# Allegro board IMX7D EVK BOARD REV D_160314.brd (continued)
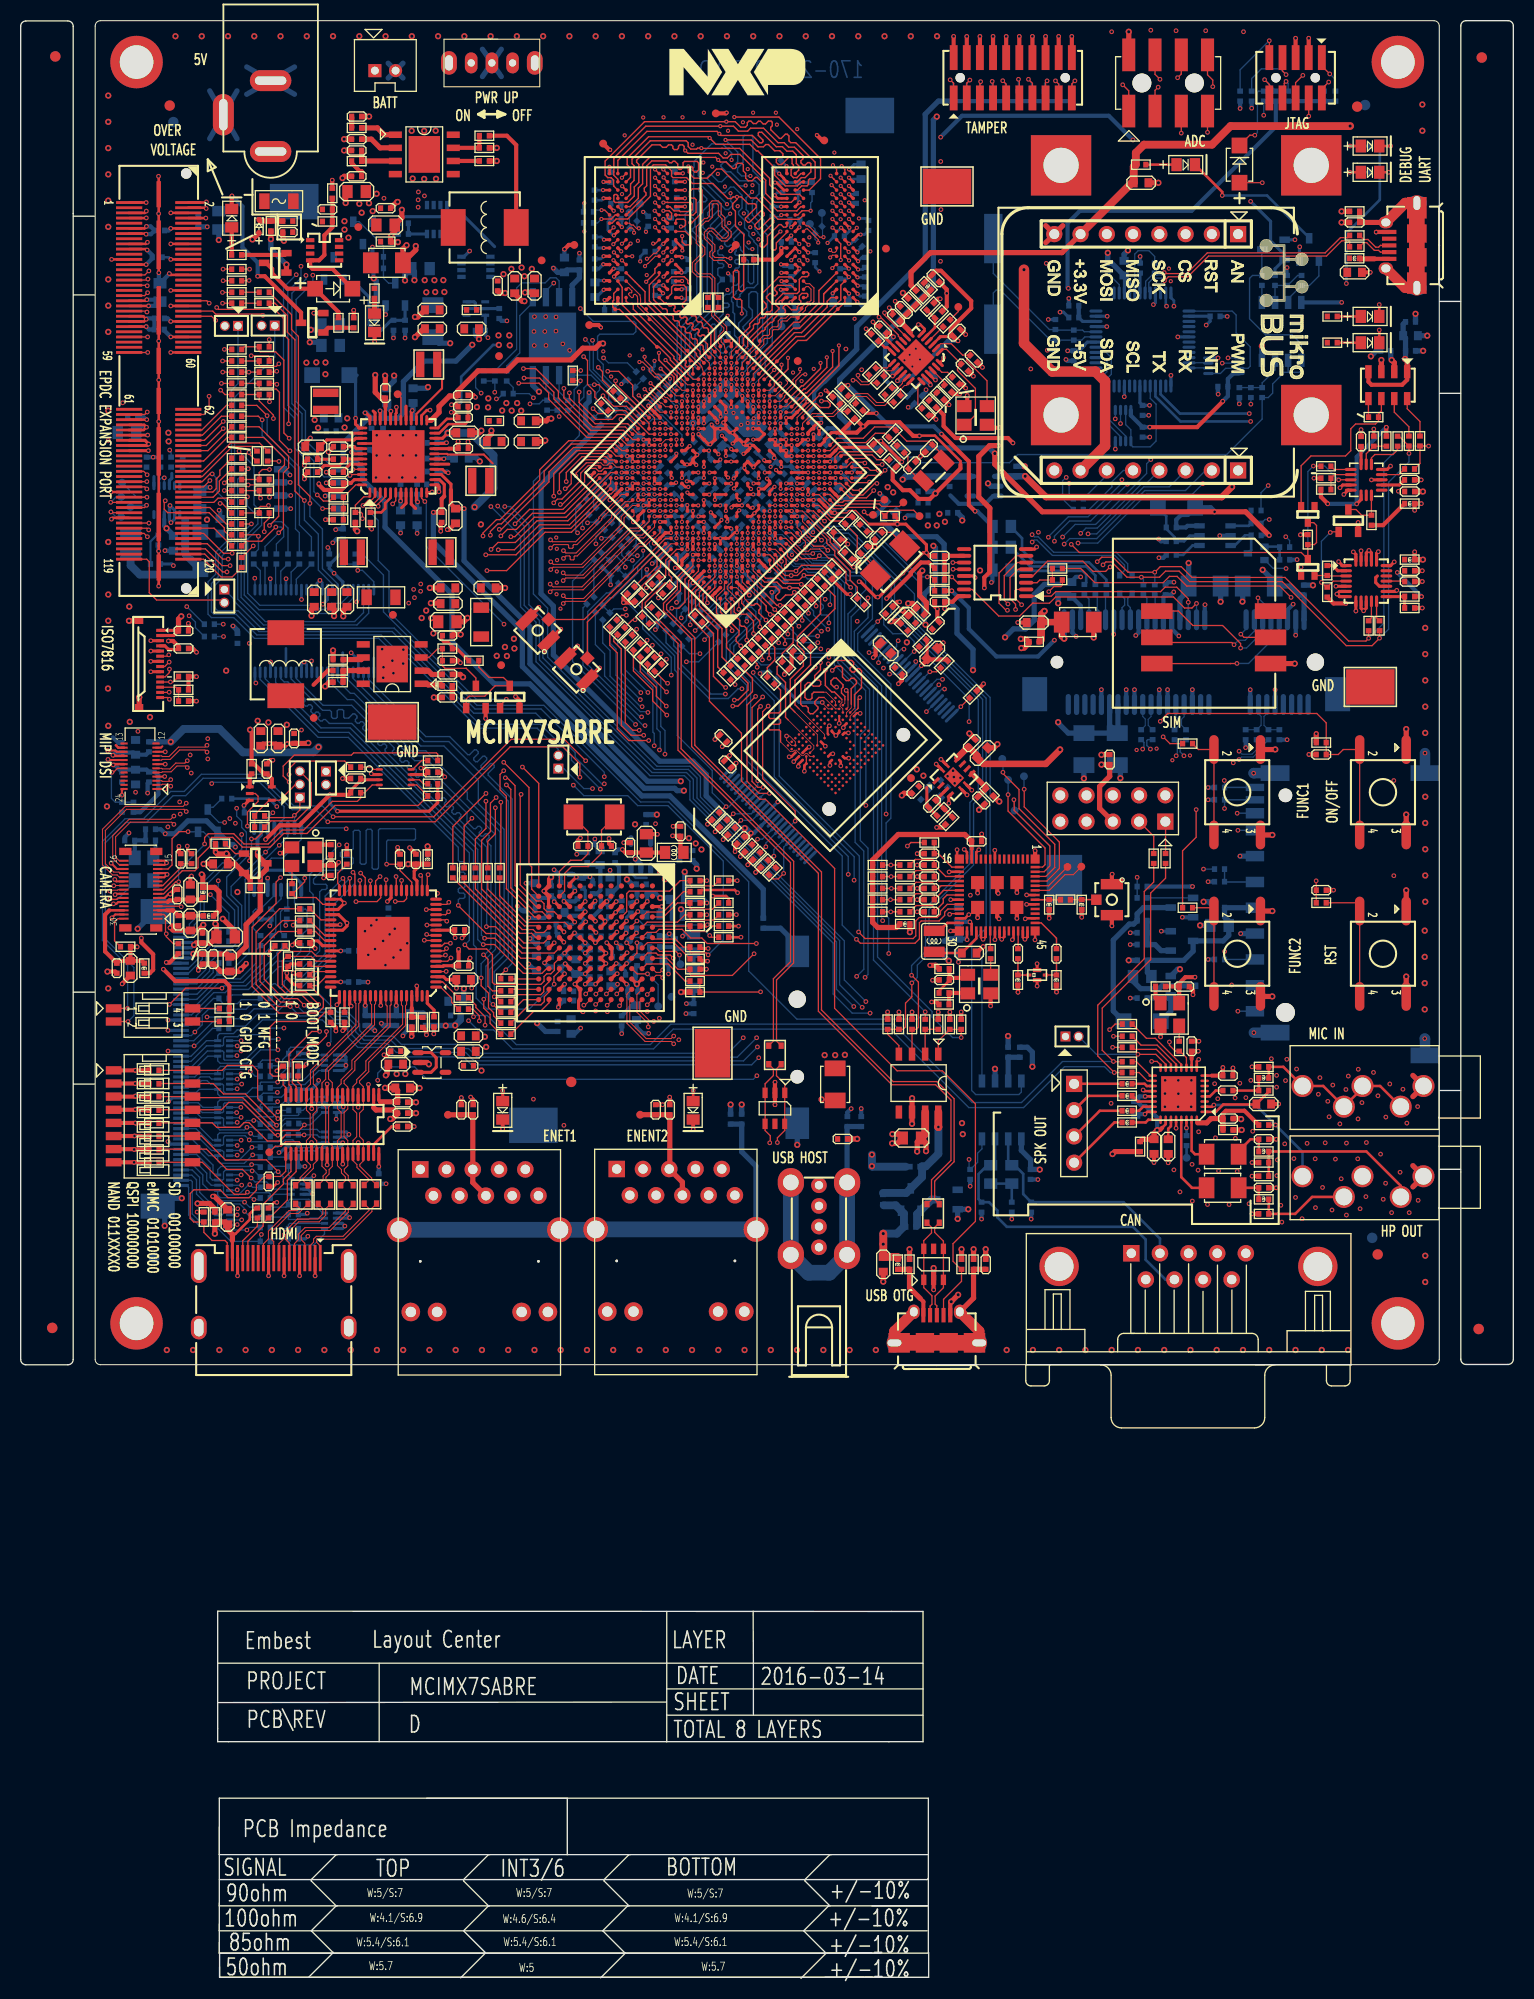
[diagram p0: board, top side]
## Routing (per net, layer and track width the routed paths; a pad name or vN(x,y) marks a point on that pad's centre or on a via; arc(x,y) is an arc through that point) (continued)
  TOP w0.254: U4.16 40.81,145.96 41.14,145.63 41.35,145.63 v1(41.35,145.63)
  TOP w0.305: R639.2 31.92,114.9 32.89,115.86 C461.1 33.01,115.93 U45.3 ; v1(30.64,112.89) 39.51,112.89 40.34,113.72 R638.2 R640.2
  TOP w0.406: v1(88.94,162.45) 88.73,162.45 R369.1 ; v1(23.69,110.16) 25.05,111.52 26.95,111.52 v1(29.89,114.47) 31.72,114.47 R639.2 ; L64.1 12.48,97.22 12.81,97.55 12.81,99.05 11.67,100.2 v1(11.67,100.63) ; v1(90.82,153.26) 90.21,153.26 R621.2
  TOP w0.508: R368.1 v2(85.33,163.02) ; v2(85.25,132.36) 85.84,131.77 R45.2 85.87,131.78 86.67,132.57 R325.2 86.28,132.99 v2(85.84,132.99)
  L3_INT_1 w0.406: v1(12.28,114.65) 12.28,112.41 v1(13.98,110.71) 13.98,110.18 12.1,108.3 12.1,101.06 v1(11.67,100.63)
  L3_INT_1 w0.508: v1(23.69,110.16) 24.35,109.5 24.35,108.56 20.97,105.17 v2(20.97,105.07)
  L3_INT_1 w0.762: v1(23.69,110.16) 23.07,110.77 23.07,114.65 20.53,117.19 20.53,125.82 v2(19.87,126.49)
  L6_INT_2 w0.305: v1(107.58,177.82) 107.59,177.82 113.01,177.82 v1(118.96,171.88)
  L6_INT_2 w0.508: v1(20.77,109.43) 20.77,105.27 v2(20.97,105.07)
  L6_INT_2 w0.762: v2(19.87,126.49) 19.87,128.21 28.23,136.57 29.65,136.57 32.07,138.98 41.52,138.98 43.17,140.63 v2(44.51,140.63)
  BOTTOM w0.305: v1(30.64,112.89) 29.89,113.64 v1(29.89,114.47) ; v1(118.96,171.88) 120.89,169.94 120.89,168.07 122.25,166.71 D22.2 121.32,165.36 R553.1
  BOTTOM w0.406: v1(88.98,178.09) 91.05,180.16 105.24,180.16 v1(107.58,177.82) ; v1(12.28,114.65) 12.28,115.59 L65.1 ; L57.1 87.57,153.46 v1(87.57,153.66) ; L68.1 13.55,111.14 v1(13.98,110.71) ; U33.3 94.06,143.38 93.3,142.62 90.73,142.62 89.92,143.43 ; C22.1 41.23,145.75 v1(41.35,145.63)
  BOTTOM w0.508: v1(20.77,109.43) 20.53,109.67 R636.1 19.87,110.06 Q36.1 17.98,111.96 16.17,111.96 14.92,110.71 v1(13.98,110.71)
  vias: v2(46.57,151.65) v2(46.98,152.37) v2(47.49,151.64) v2(48.02,152.37) v2(48.41,151.63) v2(87.74,140.53) v2(88.61,140.53) v2(88.86,141.65) v2(89.39,140.89)
SW2LX: length 1.4
  TOP w0.305: U4.17 41.41,146.46
SW3_1V35: length 4.9
  TOP w0.203: U4.27 38.28,151.32 40.75,153.79 40.75,154.62
SW3LX: length 1.4
  TOP w0.305: 37.28,152.06 U4.29
SWBSTLX: length 1
  TOP w0.305: U4.35 34.28,151.42 34.1,151.6
  vias: v2(27.64,156.28) v2(28.59,156.31) v2(29.48,156.3) v2(29.47,155.16)
SYS_5V: length 12.7
  TOP w0.305: 34.81,84.78 34.64,84.95 U15.1
  TOP w0.508: R147.2 18.78,74.43 18.26,74.95 v2(17.11,74.95) ; v2(35.24,86.14) 35.26,86.11 C228.1 36.46,85.89 C227.1 36.42,84.78 34.81,84.78 ; v2(86.71,79.97) 86.72,79.98 86.72,80.91 C363.1 87.57,80.8 87.57,80.02 v2(87.57,80.01)
  TOP w0.762: U30.7 87.48,81.68 C363.1
  vias: v2(31.32,169.96) v2(31.32,169.14) v2(31.7,168.37)
TD_P0_N0: length 31.2
  TOP w0.104: U31.G11 55.1,95.66 v1(54.65,95.21)
  L3_INT_1 w0.117: J27.2 39.15,76.47 37.46,76.47 36.77,77.17 36.77,79.59 39.44,82.26 41.27,82.26 53.82,94.81 54.25,94.81 v1(54.65,95.21)
TD_P0_N1: length 25.6
  TOP w0.104: U31.F12 55.65,94.21 55.65,94.21 55.64,94.2 v1(55.61,94.2)
  L3_INT_1 w0.117: v1(55.61,94.2) 55.64,94.23 55.44,94.43 55.39,94.43 55.18,94.22 55.18,91.71 42.61,79.14 42.61,77.42 41.92,76.94 41.92,76.79 J27.4
TD_P0_N2: length 26.7
  TOP w0.104: U31.E11 v1(56.65,95.21)
  L3_INT_1 w0.117: v1(56.65,95.21) 56.65,95.02 56.04,94.41 56.04,90.7 44.87,79.52 44.87,77.45 45.57,76.75 46.49,76.75 J27.8
TD_P0_N3: length 23.3
  TOP w0.104: U31.D12 58.11,94.25 v1(57.92,94.07)
  L3_INT_1 w0.117: J27.10 49.54,76.79 49.58,76.91 50.93,78.27 50.93,82.84 57.44,89.35 57.44,94.27 57.53,94.36 57.63,94.36 v1(57.92,94.07)
TD_P0_P0: length 31.2
  TOP w0.104: U31.G12 54.57,94.13 v1(54.47,94.13)
  L3_INT_1 w0.117: v1(54.47,94.13) 54.47,94.33 54.27,94.53 53.94,94.53 41.39,81.98 39.56,81.98 37.04,79.47 37.04,77.29 37.58,76.75 39.13,76.75 39.36,76.98 39.36,77.54 J27.1
TD_P0_P1: length 25.6
  TOP w0.104: v1(55.64,95.2) 55.65,95.21 55.65,95.21 U31.F11
  L3_INT_1 w0.117: J27.3 41.62,77.38 41.91,77.28 42.33,77.57 42.33,79.26 54.9,91.83 54.9,94.33 55.64,95.07 v1(55.64,95.2)
TD_P0_P2: length 26.7
  TOP w0.104: U31.E12 57.11,94.5 v1(56.73,94.12)
  L3_INT_1 w0.117: J27.7 46.6,78.24 47.2,77.64 47.2,77.16 47.08,77.03 45.68,77.03 45.15,77.56 45.15,79.41 56.32,90.58 56.32,94.3 56.41,94.38 56.55,94.38 56.73,94.2 v1(56.73,94.12)
TD_P0_P3: length 23.3
  TOP w0.104: U31.D11 v1(57.65,95.21)
  L3_INT_1 w0.117: v1(57.65,95.21) 57.65,94.92 57.16,94.43 57.16,89.47 50.65,82.96 50.65,78.38 49.56,77.29 49.29,77.29 J27.9
TD_P1_N0: length 24.9
  TOP w0.104: 61.11,96.66 61.46,97.02 61.86,97.02 v1(62.1,96.78)
  L3_INT_1 w0.117: J28.2 58.74,75.8 58.3,76.69 58.36,76.88 58.69,76.88 59.07,77.26 59.07,94.51 61.58,97.02 61.86,97.02 v1(62.1,96.78)
TD_P1_N1: length 22.2
  TOP w0.104: U31.A11 v1(60.6,95.16)
  L3_INT_1 w0.117: v1(60.6,95.16) 60.99,94.78 61.3,94.78 61.56,94.52 61.56,93.49 60.17,92.1 60.17,81.32 61.58,79.9 61.58,77.37 61.03,76.82 60.99,76.69 J28.4
TD_P1_N2: length 23
  TOP w0.104: U31.B12 59.89,94.44 59.89,93.56 60.89,92.56 v1(61.23,92.56)
  L3_INT_1 w0.117: v1(61.23,92.56) 61.23,92.21 61.45,91.99 61.45,84.35 66.66,79.14 66.66,77.54 65.62,76.5 65.6,76.44 65.83,75.98 J28.8
TD_P1_N3: length 27.8
  TOP w0.104: U31.C11 58.63,95.19 58.63,92.38 60.39,90.62 62.93,90.62 v1(63.16,90.39)
  L3_INT_1 w0.117: J28.10 68.76,76.39 68.93,76.9 69.53,77.34 69.53,80.21 62.44,87.29 62.44,90.47 62.6,90.62 62.93,90.62 v1(63.16,90.39)
TD_P1_P0: length 24.9
  TOP w0.104: U31.A9 61.47,97.3 61.86,97.3 v1(62.1,97.54)
  L3_INT_1 w0.117: J28.1 58.19,77.2 58.31,77.16 58.57,77.16 58.79,77.37 58.79,94.63 61.46,97.3 61.86,97.3 v1(62.1,97.54)
TD_P1_P1: length 22.2
  TOP w0.104: U31.A12 v1(60.6,94.16)
  L3_INT_1 w0.117: v1(60.6,94.16) 60.94,94.5 61.19,94.5 61.28,94.41 61.28,93.61 59.89,92.22 59.89,81.2 60.77,80.31 61.3,79.79 61.3,77.49 60.71,76.9 60.43,76.99 60.03,77.8 J28.3
TD_P1_P2: length 23
  TOP w0.104: U31.B11 59.61,95.17 59.61,93.45 60.7,92.35 v1(60.7,92.03)
  L3_INT_1 w0.117: J28.7 65.74,77.34 66.06,77.34 66.38,77.66 66.38,79.03 64.84,80.57 61.17,84.24 61.17,91.88 61.02,92.03 v1(60.7,92.03)
TD_P1_P3: length 27.8
  TOP w0.104: U31.C12 58.91,94.47 58.91,92.49 60.51,90.9 62.91,90.9 v1(63.16,91.15)
  L3_INT_1 w0.117: v1(63.16,91.15) 62.91,90.9 62.48,90.9 62.17,90.59 62.17,87.18 69.25,80.09 69.25,77.48 68.69,77.08 68.23,76.74 67.75,76.9 67.51,77.39 J28.9
TEMP_SENSOR_REXT: length 4.9
  TOP w0.127: U7.AE4 79.45,147.35 82.35,147.35 82.81,146.89 R75.1
TEST_MODE: length 3.6
  TOP w0.102: U7.P6 72.98,142.47 v3(72.98,142.47)
  BOTTOM w0.102: v3(72.98,142.47) 73.52,142.47 75.21,140.77 R35.2
TOUCH_CE: length 20.2
  TOP w0.127: v1(18.3,144.87) 17.69,144.26 J13.92
  L3_INT_1 w0.127: v1(18.3,144.87) 17.36,145.81 17.36,150.29 20.74,153.66 20.74,157.3 J38.2
TOUCH_GPIO: length 57.5
  TOP w0.127: J13.90 17.55,144.76 18.3,145.51 v1(18.53,145.51)
  BOTTOM w0.127: J37.2 52.01,118.87 49.95,120.92 44.26,120.92 37.53,127.65 36.59,127.65 34.63,129.61 22.62,129.61 20.61,131.62 18.45,131.62 18.12,131.95 18.12,135.07 18.86,135.81 18.86,137.94 20.05,139.13 20.05,142.72 19.01,143.76 19.01,145.03 v1(18.53,145.51)
TOUCH_INT_B: length 12.7
  TOP w0.127: J39.2 19.44,133.32 13.14,133.32 12.43,134.03 12.43,137.03 12.19,137.26 J13.119
TOUCH_RESET_B: length 10.9
  TOP w0.127: v1(18.22,153.03) 18.22,151.76 17.73,151.26 J13.64
  L3_INT_1 w0.127: v1(18.22,153.03) 18.68,153.49 18.68,158.77 J36.2
TOUCH_X1: length 14.7
  BOTTOM w0.127: J14.34 16.52,93.19 18.68,95.34 19.77,95.34 20.08,95.65 22.03,95.65 24.78,98.39 26.15,98.39 27.09,99.33 R590.1
TOUCH_X1_C: length 5.5
  BOTTOM w0.127: U23.2 26.48,104.02 C420.2 27.55,103.42 27.7,103.27 27.7,101.41 R590.2
TOUCH_X2: length 11.8
  BOTTOM w0.127: J14.35 16.54,93.69 19.19,96.33 21.5,96.33 23.33,98.16 23.33,98.9 R592.1
TOUCH_X2_C: length 5.2
  BOTTOM w0.127: U23.4 25.18,104.41 C422.2 24.29,103.42 24.67,103.04 24.67,101.21 R592.2
TOUCH_Y1: length 14.7
  TOP w0.127: v1(14.39,94.2) 15.96,95.78 v1(19.47,95.78)
  BOTTOM w0.127: J14.36 14.4,94.19 v1(14.39,94.2) ; R591.1 24.76,99.17 24.76,98.99 21.78,96.01 19.7,96.01 v1(19.47,95.78)
TOUCH_Y1_C: length 5.1
  BOTTOM w0.127: R591.2 25.13,101.21 25.13,103.17 25.39,103.42 C421.2 25.83,103.52 U23.3
TOUCH_Y2: length 10.6
  BOTTOM w0.127: R593.1 22.8,99.49 22.8,98.22 21.25,96.67 19.01,96.67 17.03,94.69 J14.37
TOUCH_Y2_C: length 5.8
  BOTTOM w0.127: R593.2 22.49,101.57 22.49,103.19 22.72,103.42 C423.2 24.53,104.76 U23.5
TP_BUSY: length 50.9
  TOP w0.127: R430.2 24.03,153.19 24.07,153.16 v1(24.07,152.49)
  L3_INT_1 w0.127: v1(24.07,152.49) 22.69,151.12 22.69,142.51 18.4,138.22 18.4,129.53 17.77,128.9 17.77,122.47 18.63,121.61 18.63,115.72 v1(18.48,115.56)
  BOTTOM w0.127: v1(18.48,115.56) 18.61,115.69 23.12,115.69 25.47,113.34 25.47,112.2 25.18,111.91 U23.13
TP_ESPI3_SS2_B: length 66.9
  TOP w0.102: U7.D3 68.73,135.03 68.33,134.63 68.33,134.39 69.46,133.26 v1(69.46,132.41)
  TOP w0.127: U39.2 22.7,114.6 22.96,114.34 22.96,113.84 21.93,112.81 v1(21.93,111.45)
  L6_INT_2 w0.127: v1(21.93,111.45) 22.37,111.01 30.57,111.01 31.52,111.96 42.43,111.96 43.04,111.35 48.53,111.35 53.58,116.4 53.58,119.49 61.11,127.02 62.77,127.02 66.02,130.26 67.31,130.26 v1(69.46,132.41)
TP_ESPI_SS_B: length 6.8
  TOP w0.127: R360.2 R359.2 22.63,112.55 24.03,113.95 U39.4 25.06,113.95 26.58,115.48 JP1.2
TP_INT_B: length 7.9
  L6_INT_2 w0.127: v1(24.39,112.75) 25.93,112.75 26.5,113.32 27.38,113.32 J41.2
  BOTTOM w0.127: U23.11 23.88,112.24 v1(24.39,112.75)
TP_SPI_SS_B: length 6.2
  TOP w0.127: JP1.1 27,113.01 v1(26.48,112.49) 26.26,112.27 23.75,112.27 R359.1
  BOTTOM w0.127: v1(26.48,112.49) 26.48,112.48 U23.15
TX_LED1: length 30.3
  TOP w0.254: D9.2 v1(132.32,174.69)
  L3_INT_1 w0.254: v1(132.32,174.69) 132.32,172.92 126.2,166.8 115.58,166.8 110.83,162.05 v1(110.83,161.74)
  BOTTOM w0.254: v1(110.83,161.74) 110.75,161.82 U18.11
TX_LED2: length 29.6
  TOP w0.254: D11.2 v1(131.41,161.89)
  L3_INT_1 w0.254: v1(118.83,151.35) 119.75,152.27 119.75,154.65 125.21,160.11 129.63,160.11 v1(131.41,161.89)
  BOTTOM w0.254: U18.27 110.25,153.22 112.13,151.35 v1(118.83,151.35)
TXD_EN_P0: length 43.8
  TOP w0.127: U31.K4 51.61,103.16 50.92,103.16 50.62,103.46 50.62,103.95 50.36,104.21 49.87,104.21 48.31,105.77 48.31,114.44 v1(48.4,114.52)
  L6_INT_2 w0.127: v1(48.4,114.52) 49.67,115.79 49.67,119.73 57.02,127.08 57.02,133.99 57.77,134.74 57.77,136.54 58.38,137.15 v1(59.17,137.15)
  BOTTOM w0.127: R532.2 58.14,137.65 58.63,137.15 v1(59.17,137.15)
TXD_P0_0: length 42.3
  TOP w0.127: v1(46.72,117.62) 49.16,115.18 49.16,107.78 49.42,107.51 49.42,105.34 U31.M2
  L6_INT_2 w0.127: v1(46.72,117.62) 46.72,122.07 51.04,126.38 51.04,127.45 53.86,130.27 v1(53.86,139.82)
  BOTTOM w0.127: R528.2 53.68,142.04 53.68,140 v1(53.86,139.82)
TXD_P0_1: length 42.9
  TOP w0.127: U31.M3 49.86,103.66 47.81,105.71 47.81,115.36 47.05,116.12 v1(46.87,116.12)
  L6_INT_2 w0.127: v1(54.82,140.79) 54.82,128.92 47.66,121.76 47.66,116.91 v1(46.87,116.12)
  BOTTOM w0.127: v1(54.82,140.79) 54.89,140.85 R526.2
TXD_P0_2: length 44.3
  TOP w0.127: U31.M4 49.7,102.66 46.98,105.39 46.98,114.34 46.37,114.95 46.37,116.45 v1(46.72,116.81)
  L6_INT_2 w0.127: v1(46.72,116.81) 47.2,117.29 47.2,121.91 51.51,126.22 51.51,127.26 54.34,130.08 v1(54.34,140.28)
  BOTTOM w0.127: v1(54.34,140.28) 54.34,140.96 R525.2
TXD_P0_3: length 43.7
  TOP w0.127: U31.L4 50.93,102.66 50.43,103.16 49.72,103.16 47.41,105.48 47.41,115 v1(46.98,115.44)
  L6_INT_2 w0.127: v1(55.64,138.75) 55.28,138.4 55.28,128.73 48.07,121.52 48.07,116.53 v1(46.98,115.44)
  BOTTOM w0.127: R530.2 56.29,140.12 55.64,139.46 v1(55.64,138.75)
UART1_RXD: length 66.4
  TOP w0.127: U7.L3 v3(72.44,138.75)
  L3_INT_1 w0.102: v3(72.44,138.75) 72.7,138.5 74.66,138.5 76.48,136.68
  L3_INT_1 w0.127: 76.48,136.68 79.57,136.68 80.76,137.86 83.58,137.86 84.29,137.15 87.94,137.15 89.47,138.68 90.97,138.68 95.74,143.45 117.89,143.45 119.11,144.67 119.11,147.75 116.85,150.01 116.85,155.6 v1(116.22,156.23)
  BOTTOM w0.127: U17.6 v1(116.22,156.23)
UART1_TXD: length 68.2
  TOP w0.102: U7.L4 v3(71.91,139.28)
  L3_INT_1 w0.102: v3(71.92,139.28) 71.92,138.73 72.44,138.21 73.47,138.21 74.86,136.81 75.89,136.81 76.26,136.45
  L3_INT_1 w0.127: 76.26,136.45 76.36,136.35 79.72,136.35 80.78,137.41 83.17,137.41 83.81,136.77 88.16,136.77 89.66,138.27 91.17,138.27 95.9,143 118.15,143 119.54,144.39 119.54,148.02 117.31,150.26 117.31,156.2 v1(116.78,156.74)
  BOTTOM w0.127: v1(116.78,156.74) 116.78,156.73 U17.5
UART2_RXD: length 45.2
  TOP w0.102: v3(71.38,139.81) 71.38,139.81 U7.L5
  L3_INT_1 w0.102: v3(71.38,139.81) 71.53,139.67 72.06,139.67 72.87,138.86 74.76,138.86 76.57,137.05 76.86,137.05
  L3_INT_1 w0.127: v1(106.38,150.39) 106.38,149.3 104.33,147.25 97.14,147.25 94.86,144.97 94.86,143.2 90.79,139.13 81.55,139.13 79.46,137.05 76.86,137.05
  BOTTOM w0.127: U19.6 v1(106.38,150.39)
UART2_TXD: length 44.3
  TOP w0.102: U7.L6 70.85,140.34 v3(70.85,140.34)
  L3_INT_1 w0.102: 78.07,138.75 77.91,138.6 76.49,138.6 75.53,139.57 73.25,139.57 72.58,140.23 72.32,140.23 72.03,139.94 71.81,139.94 71.41,140.34 v3(70.85,140.34)
  L3_INT_1 w0.127: 78.07,138.75 78.83,139.52 90.61,139.52 94.35,143.25 94.35,145.15 96.91,147.72 104.08,147.72 105.88,149.52 105.88,150.83 v1(105.87,150.84)
  BOTTOM w0.127: U19.5 105.88,150.85 v1(105.87,150.84)
UART6_CTS_B: length 57.2
  TOP w0.102: U7.H5 v3(69.79,138.22)
  TOP w0.127: v1(97.06,115.02) 97.06,113.31 100.46,109.91 100.46,107.34 99.25,106.13 U16.55
  L3_INT_1 w0.102: 73.21,135.02 72.92,135.31 72.92,136.22 72.01,137.13 71.43,137.13 70.49,138.07 69.95,138.07 v3(69.79,138.22)
  L3_INT_1 w0.127: 73.21,135.02 74.59,133.64 75.49,133.64 76.45,134.6 78.31,134.6 80.05,132.86 83.81,132.86 84.72,133.78 85.98,133.78 97.06,122.69 v1(97.06,115.02)
  BOTTOM w0.127: TP54.1 97.04,115.04 v1(97.06,115.02)
UART6_RTS_B: length 50.9
  TOP w0.102: U7.H4 v3(70.32,137.69)
  TOP w0.127: U16.58 98.84,107.48 99.07,107.72 99.07,109.34 95.5,112.91 v1(95.5,114.49)
  L3_INT_1 w0.102: v3(70.32,137.69) 70.5,137.52 70.5,137 71.52,135.98 71.52,135.81 72.79,134.54
  L3_INT_1 w0.127: 72.79,134.54 74.41,132.92 75.85,132.92 76.77,133.84 78.05,133.84 79.74,132.15 84.17,132.15 95.5,120.82 v1(95.5,114.49)
  BOTTOM w0.127: TP57.1 95.51,114.49 v1(95.5,114.49)
UART6_RXD: length 50.8
  TOP w0.102: v3(70.85,137.16) 70.85,137.16 U7.H3
  TOP w0.127: U16.57 98.99,107.03 99.54,107.59 99.54,109.53 96.09,112.98 96.09,113.97 v1(96.06,114)
  L3_INT_1 w0.102: 72.98,134.79 71.94,135.83 71.94,136.09 70.86,137.16 v3(70.85,137.16)
  L3_INT_1 w0.127: v1(96.06,114) 96.06,120.84 84.39,132.51 79.92,132.51 78.2,134.23 76.63,134.23 75.74,133.34 74.43,133.34 72.98,134.79
  BOTTOM w0.127: v1(96.06,114) 96.06,113.03 TP56.1
UART6_TXD: length 53.7
  TOP w0.102: U7.G5 v3(69.26,137.69)
  TOP w0.127: U16.56 99.14,106.58 100.02,107.45 100.02,109.69 96.56,113.15 96.56,114.99 95.01,116.54 v1(95.01,116.66)
  L3_INT_1 w0.102: 71.26,135.17 69.26,137.17 v3(69.26,137.69)
  L3_INT_1 w0.127: v1(95.01,116.66) 95.01,120.8 85.13,130.68 83.98,130.68 83.58,131.08 83.58,131.51 83.27,131.82 78.62,131.82 77.21,133.24 76.69,133.24 76.02,132.57 74.3,132.57 73.59,133.28 72.64,133.28 71.26,134.66 71.26,135.17
  BOTTOM w0.127: TP55.1 95.01,117.89 v1(95.01,116.66)
USB_DN: length 22.9
  TOP w0.127: v1(110.63,164.2) 111.01,164.59 112.89,164.59 114.9,166.59 126.3,166.59 127.77,168.07 128.46,168.07 128.54,167.98 R160.2
  BOTTOM w0.127: U18.8 109.11,163.16 109.11,164.02 109.56,164.46 110.37,164.46 v1(110.63,164.2)
USB_DP: length 22.9
  TOP w0.127: R158.2 128.33,168.37 127.65,168.37 126.17,166.9 114.77,166.9 112.76,164.89 110.7,164.89 v1(110.6,164.99)
  BOTTOM w0.127: U18.7 108.81,163.07 108.81,164.14 109.6,164.94 R159.1 109.85,164.76 110.37,164.76 v1(110.6,164.99)
USB_HOST_N: length 24.6
  TOP w0.127: v1(73.19,80.84) 73.19,81.3 73.9,82.01 U27.6 U27.1 73.9,86.5 73.1,87.3 73.1,87.96 L40.4
  L3_INT_1 w0.127: J26.2 74.1,72.71 71.06,75.76 71.06,81.4 71.59,81.93 72.73,81.93 73.09,81.58 73.09,80.94 v1(73.19,80.84)
USB_HOST_P: length 24.6
  TOP w0.127: v1(72.45,80.82) 72.5,80.87 72.5,81.5 72,82 U27.4 U27.3 72,86.52 72.8,87.32 72.8,87.97 L40.3
  L3_INT_1 w0.127: J26.3 76.15,74.71 75.93,74.49 75.93,73.25 75.7,73.02 74.23,73.02 71.36,75.89 71.36,81.27 71.72,81.63 72.61,81.63 72.78,81.45 72.78,81.15 v1(72.45,80.82)
USB_HOST_VBUS: length 70.3
  L3_INT_1 w0.406: v1(60.56,136.28) 60.56,136.25 61.2,135.61 61.2,134.33 60.39,133.52 60.39,130.3 59.93,129.84 59.93,126.54
  L3_INT_1 w0.508: v2(77.47,85.01) 77.19,85.29 70.44,85.29 67.63,88.1 67.63,108.48 58.25,117.85 58.25,124.86 59.93,126.54
  BOTTOM w0.127: 85.61,78.5 R569.1
  BOTTOM w0.305: v1(60.56,136.28) 60.56,135.87 R69.2
  BOTTOM w0.762: v2(82.33,79.67) v2(82.33,78.56) 82.38,78.5 85.61,78.5
USB_OTG1_DN: length 77.7
  TOP w0.127: U7.A8 64.49,136.52 63.51,135.54 63.51,134.33 62.17,132.99 62.17,132.27 64.9,129.55 64.9,119.14 77.15,106.89 77.15,93.54 84.26,86.43 88.5,86.43 89.98,84.95 89.98,79.11 88.1,77.23 88.1,75.33 L41.4
USB_OTG1_DP: length 78.3
  TOP w0.102: 63.82,134.64 63.82,134.67
  TOP w0.127: U7.B8 65.02,136.62 63.82,135.42 63.82,134.67 ; 63.82,134.64 63.82,134.21 62.48,132.87 62.48,132.4 65.2,129.67 65.2,119.27 77.46,107.01 77.46,93.67 84.39,86.74 88.62,86.74 90.28,85.08 90.28,78.99 88.4,77.11 88.4,75.33 L41.3
USB_OTG1_ID: length 89.2
  TOP w0.127: U7.B7 65.55,136.12 64.6,135.17 64.6,131.72 66.62,129.71 66.62,123.53 69.72,120.43 69.72,115.81 71.47,114.05 72.02,114.05 78.73,107.35 78.73,93.82 84.77,87.78 89.15,87.78 92.34,84.59 92.34,73.22 90.18,71.06 90.18,69.36 90.96,68.58 TVS6.2 91,67.42 89.26,65.68 J25.4
USB_OTG1_OC: length 3.7
  TOP w0.127: U30.2 87.48,91.79 R620.2 R255.1
USB_OTG1_PWR: length 62.2
  TOP w0.102: U7.P1 75.1,139.77 75.91,138.96 75.91,138.47 v1(75.93,138.45)
  TOP w0.127: U30.1 88.75,90.67 R253.2 R256.1 v1(90.97,91)
  BOTTOM w0.102: v1(75.93,138.45) 75.93,137.86 76.64,137.15 76.96,137.15
  BOTTOM w0.127: 76.96,137.15 78.01,137.15 79.97,135.2 80.28,135.2 80.76,134.71 80.76,132.71 80.02,131.97 80.02,127.78 82.88,124.92 82.88,98.79 88.15,93.52 88.15,92.98 90.13,91 v1(90.97,91)
USB_OTG2_DN: length 48
  TOP w0.127: R566.2 61.69,131.43 63.88,129.24 63.88,118.93 74.76,108.04 74.76,98.22 73.11,96.56 73.11,90.66 L40.1
USB_OTG2_DP: length 48
  TOP w0.127: L40.2 72.8,90.66 72.8,96.69 74.46,98.34 74.46,107.92 63.58,118.8 63.58,129.11 61.48,131.21 61.28,131.21 61.11,131.04 R565.2
USB_OTG2_ID: length 6.3
  TOP w0.102: 62.36,138.23 62.88,138.76 U7.B11
  TOP w0.127: R68.1 60.41,135.65 60.62,135.65 61.55,136.59 61.55,137.42 62.36,138.23
USB_OTG2_OC: length 66.2
  TOP w0.127: U30.3 86.21,91.8 R257.1 86.65,91.8 86.83,91.98 86.83,96.36 v1(86.17,97.02) ; U7.P2 74.56,140.35 v3(74.01,140.35)
  BOTTOM w0.102: v3(74.01,140.35) 74.85,139.52 75.32,139.52 75.73,139.11 76.19,139.11 76.69,138.6 77.58,138.6 78.07,139.08
  BOTTOM w0.127: 78.07,139.08 78.29,139.31 80.05,139.31 84.19,135.17 84.19,132.12 92.62,123.69 92.62,114.55 91.81,113.73 91.81,107.82 87.51,103.52 87.51,99.31 86.17,97.96 v1(86.17,97.02)
USB_OTG2_PWR: length 68.1
  TOP w0.102: U7.P3 v3(74.52,140.88)
  TOP w0.127: U30.4 84.94,90.22 83.85,91.31 R254.1 R252.2 85.36,91.8 85.58,92.02 85.58,94.33 86.19,94.94 v1(86.19,96.28)
  BOTTOM w0.102: v3(74.52,140.88) 74.52,140.29 74.94,139.87 75.27,139.87 75.75,139.39 76.36,139.39 76.47,139.49 76.95,139.49 77.24,139.78
  BOTTOM w0.127: 77.24,139.78 80.06,139.78 84.52,135.32 84.52,132.23 93.04,123.71 93.04,114.48 92.16,113.61 92.16,107.69 87.86,103.38 87.86,99.13 86.73,98 86.73,96.82 v1(86.19,96.28)
USB_OTG_N: length 9.8
  TOP w0.127: L41.1 88.1,72.64 88.1,72.1 87.35,71.35 U28.6 U28.1 87.35,66.81 88.14,66.02 88.14,65.2 87.96,65.02 J25.2
USB_OTG_P: length 9.9
  TOP w0.127: J25.3 88.61,65.05 88.45,65.21 88.45,66 89.25,66.8 U28.3 U28.4 89.25,71.31 88.4,72.15 88.4,72.64 L41.2
USB_OTG_PWR: length 6.1
  TOP w0.406: 87,65.77 87.31,65.45 J25.1
  TOP w0.508: L39.1 TVS5.2 85.97,66.79 87,65.77
USB_OTG_VBUS: length 86.7
  TOP w0.762: v1(88.76,82.35) 88.75,82.35 88.75,82.34 U30.8
  L3_INT_1 w0.406: v1(63.44,133.09) 62.7,133.09 62.34,132.73 62.34,129.33 60.69,127.68 60.69,126.43 58.86,124.61 58.86,118.31 68.54,108.63 68.54,88.25 70.8,86 84.17,86 87.83,82.35 v1(88.76,82.35)
  BOTTOM w0.127: 83.4,75.96 R571.2 ; R569.2 87.02,78.54 87.18,78.54
  BOTTOM w0.406: v1(63.44,133.09) 63.67,133.32 R65.2
  BOTTOM w0.762: v1(88.76,82.35) 88.76,79.75 87.55,78.54 87.18,78.54 87.18,77.5 Q24.3 85.65,75.96 83.4,75.96
USB_PCIE_DN: length 55.6
  TOP w0.127: v1(61.68,133.52) 62.1,133.94 R559.2
  L6_INT_2 w0.127: v1(61.68,133.52) 61.44,133.74 61.01,133.71 60.77,133.47 60.77,133.06 61.23,132.61 61.81,132.61 63.28,134.08 65.6,134.08 66.05,134.54 71.28,134.54 72.22,133.6 76.29,133.6 77.05,134.36 78.65,134.36 79.64,133.37 80.5,133.37 82.08,134.94 90.23,134.94 94.7,139.41 97.6,139.41 v1(97.83,139.64)
  BOTTOM w0.127: v1(97.83,139.64) 98.04,139.43 98.42,139.43 99.91,137.94 105.95,137.94 107.07,136.82 107.07,136.15 L10.4
USB_PCIE_DP: length 55.7
  TOP w0.127: R558.2 60.7,134.49 v1(60.51,134.49)
  L6_INT_2 w0.127: v1(60.51,134.49) 60.65,134.37 60.68,133.81 60.46,133.6 60.46,132.94 61.1,132.3 61.94,132.3 63.41,133.78 65.72,133.78 66.18,134.23 71.16,134.23 72.09,133.3 76.42,133.3 77.18,134.05 78.52,134.05 79.51,133.06 80.63,133.06 82.21,134.64 90.36,134.64 94.83,139.11 97.65,139.11 v1(97.84,138.93)
  BOTTOM w0.127: L10.3 106.77,136.18 106.77,136.7 105.83,137.64 99.78,137.64 98.29,139.13 98.03,139.13 v1(97.84,138.93)
USB_SUSPEND1_B: length 14.6
  BOTTOM w0.127: U17.1 116.04,155.23 116.55,155.73 U17.7 118.72,155.73 118.92,155.93 118.92,157.81 117.56,159.17 117.56,160.88 117.17,161.27 U18.13
USB_SUSPEND2_B: length 11.9
  BOTTOM w0.127: U18.29 109.25,152.83 109.82,152.27 109.82,148.7 109.26,148.14 107.58,148.14 107.38,148.33 U19.1 107.38,149.78 106.88,150.28 U19.7
USR_BT0: length 55.4
  TOP w0.127: v1(110.5,120.08) 111.16,119.43 R309.2 ; U7.G3 v3(70.32,136.63)
  L3_INT_1 w0.102: 73.21,136.09 73.21,136.38 70.97,138.63 70.73,138.63 70.47,138.37 70.19,138.37 69.96,138.6 69.66,138.6 69.4,138.34 69.4,138.1 70.19,137.31 70.19,136.76 v3(70.32,136.63)
  L3_INT_1 w0.127: v1(110.5,120.08) 110.14,120.44 99.92,120.44 86.2,134.16 81.88,134.16 81.09,133.37 80.05,133.37 78.44,134.98 76.3,134.98 75.66,134.35 75.32,134.35 74.73,134.93 74.13,134.93 73.21,135.85 73.21,136.09
USR_BT1: length 70
  TOP w0.102: U7.C3 68.06,134.9 68.06,134.4 67.29,133.64 67.29,132.56
  TOP w0.127: v1(113.69,113.05) 113.69,110.37 112.38,109.06 R310.2 ; v1(68.81,130.36) 68.81,130.56 67.29,132.08 67.29,132.56
  L3_INT_1 w0.127: v1(113.69,113.05) 98.45,113.05 97.84,112.44 92.34,112.44 86.24,118.54 85.71,118.54 81.24,123.01 80.17,123.01 79.26,123.92 75.44,123.92 73.75,125.62 70.83,125.62 68.69,127.76 68.69,130.24 v1(68.81,130.36)
VCOREDIG: length 5
  TOP w0.305: U4.43 31.24,146.96 R28.1 31.21,146.74 30.81,146.33 29.36,146.33 C59.1
VHALF: length 5.1
  TOP w0.254: C28.1 C24.2 43.27,150.59 43,150.33 41.36,150.33 40.49,149.46 U4.23
VLDO1_1V8: length 100.2
  TOP w0.305: U4.14 40.51,144.96 40.97,144.5 40.97,143.35
  TOP w0.406: 40.97,143.35 40.72,143.1 C23.1 39.92,141.8 v1(39.91,141.8)
  L6_INT_2 w0.508: v2(64.15,114.88) 69.53,114.88 71.31,113.1 74,113.1 75.53,114.62 81.88,114.62 87.77,120.52 89.52,120.52 92.11,123.11 v2(92.11,126.54)
  BOTTOM w0.508: v1(39.91,141.8) 39.91,138.93 48.53,130.32 48.53,126.89 60.31,115.11 63.26,115.11 63.49,114.88 v2(64.15,114.88) ; R32.1 84.89,139.44 88.6,139.44 89.32,138.72 89.32,133.67 90.56,132.43 90.56,130.09 92.11,128.54 v2(92.11,126.54)
VLDO2_1V5: length 90.3
  TOP w0.305: 41.61,143.97 41.61,144.52 40.68,145.46 U4.15
  TOP w0.406: v1(42.89,142.16) 42.88,142.16 C25.1 41.61,142.6 41.61,143.97
  L6_INT_2 w0.508: v2(63.84,115.79) 69.81,115.79 70.7,116.68 73.19,116.68 73.85,116.02 79.16,116.02 84.87,121.74 88.73,121.74 90.89,123.89 90.89,126.71 93.89,129.71 v2(95.21,129.71)
  BOTTOM w0.508: R119.1 99,134.83 98.03,133.85 98.03,131.36 97.19,130.52 96.02,130.52 v2(95.21,129.71) ; v1(42.89,142.16) 42.89,137.1 49.26,130.73 49.26,127.15 60.62,115.79 v2(63.84,115.79)
VLDO3_3V3: length 166.1
  TOP w0.305: 41.42,147.96 U4.20 ; R387.1 80.75,137.26 v1(81.06,136.95) ; v3(72.19,145.06) 72.44,144.8 U7.T8 71.91,144.06 v3(71.38,144.06) 71.38,143.53 U7.P8
  TOP w0.406: v1(13.8,97.61) 14.95,96.46 19.72,96.46 20.18,96 R296.1 R295.1 ; 41.42,147.96 42.28,147.96 C26.1 42.32,148.58 42.29,148.61 42.29,148.63 42.31,148.65 v1(42.31,148.67) ; R561.1 90.05,134.21 v1(90.05,134.21)
  L3_INT_1 w0.406: v1(42.31,148.67) 42.31,144.27 40.58,142.54 39.81,142.54 39.05,141.78 35.72,141.78 35.37,142.13 35.37,142.59 34.78,143.17 32.63,143.17 29.68,140.23 26.58,140.23 25.61,141.19 23.76,141.19 21.4,138.83 21.4,130.68 20.81,130.09 20.81,127.7 21.4,127.12 21.4,117.72 25.41,113.71 25.41,111.22 25.86,110.77 25.86,108.37 24.52,107.03 24.52,105.91 16.22,97.61 v1(13.8,97.61)
  L5_PWR_2 w0.305: v1(90.05,134.21) 88.96,134.21 86.17,131.41 84.97,131.41 84.44,131.95 82.66,131.95 81.37,133.24 81.37,134.41 81.7,134.74 81.7,136.32 v1(81.06,136.95)
  BOTTOM w0.254: v3(72.19,145.06) 72.55,145.42 C99.1 ; C98.1 71.38,144.18 v3(71.38,144.06)
  BOTTOM w0.406: v1(99.99,129.43) 98.41,127.86 94.37,127.86 91.71,130.52 91.71,132.56 v1(90.05,134.21) ; v1(101.33,163.47) 101.26,163.54 101.26,169.77 102.45,170.96 113.24,170.96 121.4,179.12 R168.1 R169.1 R170.1 R171.2
